# Altium PCB IntelliModule-Alpha-Baseboard.PcbDoc (continued)
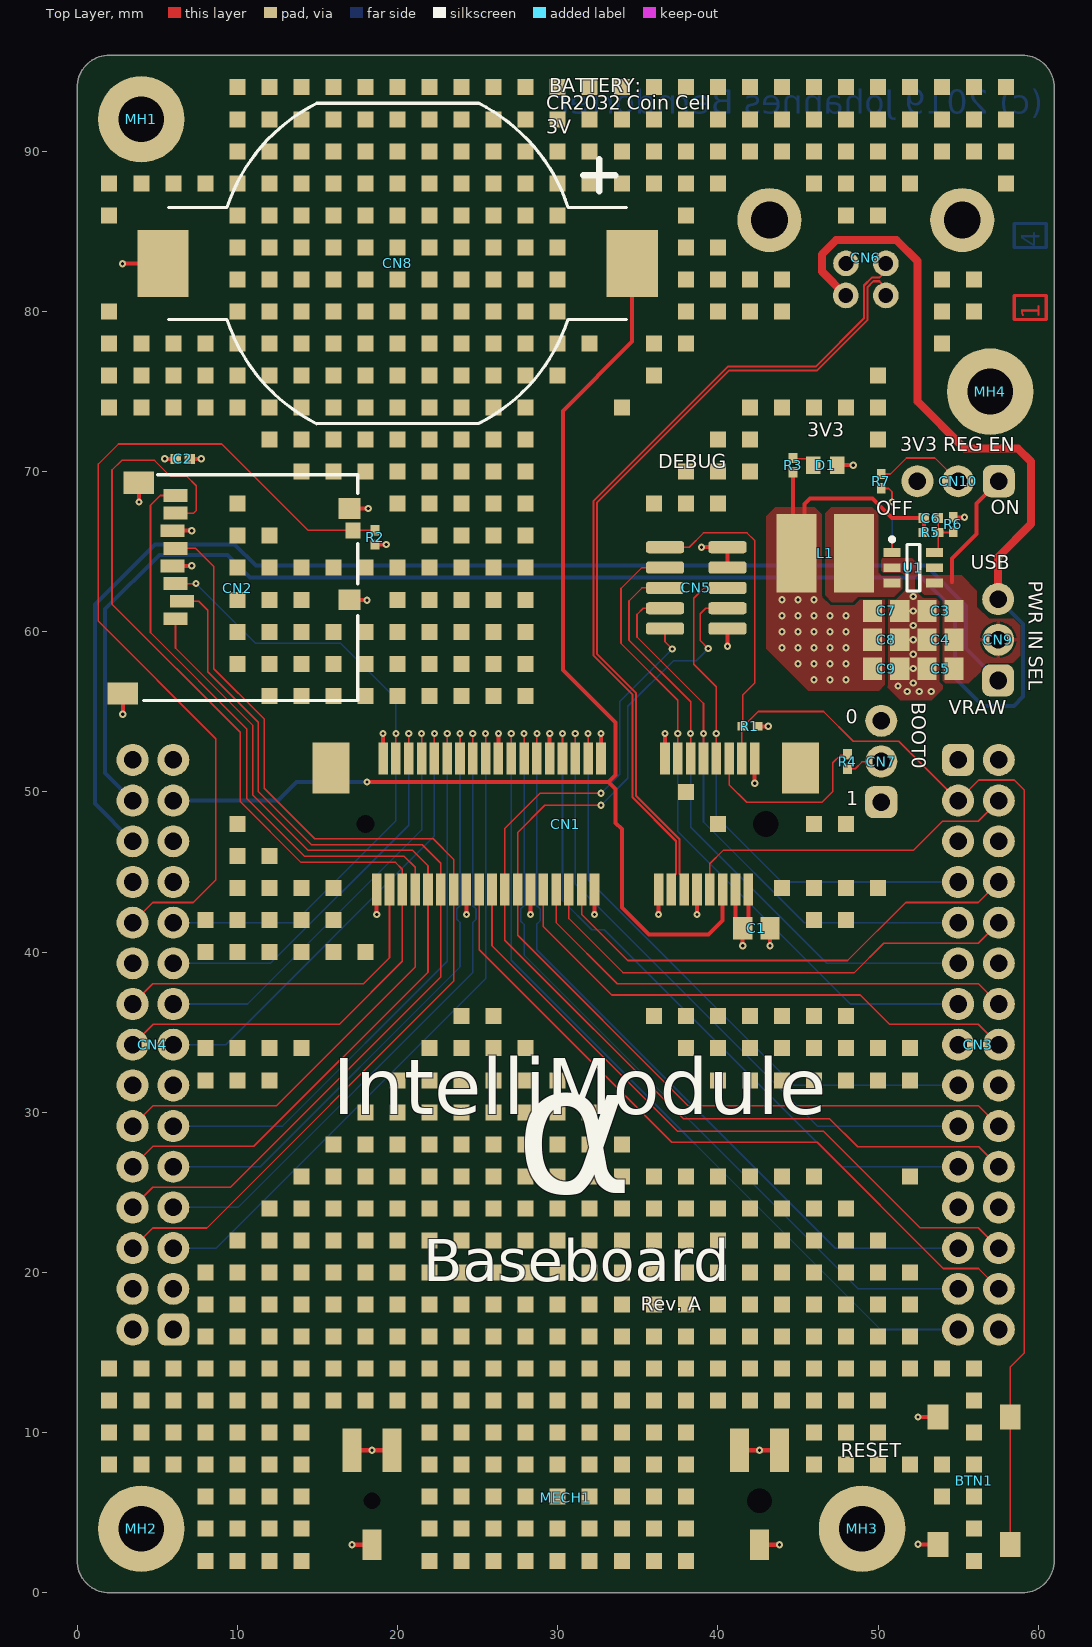
[diagram p0: Top Layer view]
## Part data (continued)
R1 R2 R4 R7: library part RC0402FR-0710KL, "RES 10K 1% 1/16W SMD 0402 YAEGO", Case/Package=0402, Case Code (Metric)=1005, Internal Part Number=R000016, Manufacturer=Yageo, Max Operating Temperature=155°C, Min Operating Temperature=-55°C, Package Quantity=10000, Power Rating=62.5mW, Resistance=10kR, Supplier Part Number 1=311-10.0KLRCT-ND, Temperature Coefficient=100ppm/°C, Tolerance=1%, Voltage Rating=50V, Case Code (Imperial)=0402, ComponentLink1Description=https://datasheet.ciiva.com/7660/38568-7660787.pdf?src-supplier=Element14, ComponentLink1URL=https://datasheet.ciiva.com/7660/38568-7660787.pdf?src-supplier=Element14, ComponentLink2Description=https://datasheet.ciiva.com/7849/1784430-7849813.pdf?src-supplier=Element14, ComponentLink2URL=https://datasheet.ciiva.com/7849/1784430-7849813.pdf?src-supplier=Element14, ComponentLink3Description=https://datasheet.ciiva.com/7849/1686128-7849814.pdf?src-supplier=Element14, ComponentLink3URL=https://datasheet.ciiva.com/7849/1686128-7849814.pdf?src-supplier=Element14, ComponentLink4Description=https://datasheet.ciiva.com/7849/1784430-7849815.pdf?src-supplier=Element14, ComponentLink4URL=https://datasheet.ciiva.com/7849/1784430-7849815.pdf?src-supplier=Element14, ComponentLink5Description=https://datasheet.ciiva.com/22747/1018594-22747512.pdf?src-supplier=Element14, ComponentLink5URL=https://datasheet.ciiva.com/22747/1018594-22747512.pdf?src-supplier=Element14, ComponentLink6Description=https://datasheet.ciiva.com/12667/pyu-rc0402-51-rohs-l-6-r-12667067.pdf?src-supplier=Mouser, ComponentLink6URL=https://datasheet.ciiva.com/12667/pyu-rc0402-51-rohs-l-6-r-12667067.pdf?src-supplier=Mouser, ComponentLink7Description=https://datasheet.ciiva.com/7983/1018594-7983486.pdf?src-supplier=Element14, ComponentLink7URL=https://datasheet.ciiva.com/7983/1018594-7983486.pdf?src-supplier=Element14, ComponentLink8Description=https://datasheet.ciiva.com/11819/0900766b80c66297-11819487.pdf?src-supplier=RSComponents, ComponentLink8URL=https://datasheet.ciiva.com/11819/0900766b80c66297-11819487.pdf?src-supplier=RSComponents, ComponentLink9Description=https://datasheet.ciiva.com/15189/getdatasheetpartid-329253-15189431.pdf?src-supplier=Verical, ComponentLink9URL=https://datasheet.ciiva.com/15189/getdatasheetpartid-329253-15189431.pdf?src-supplier=Verical, ComponentLink10Description=https://datasheet.ciiva.com/24070/pyu-rc0402-51-rohs-l-6-r-8721-24070077.pdf?src-supplier=Mouser, ComponentLink10URL=https://datasheet.ciiva.com/24070/pyu-rc0402-51-rohs-l-6-r-8721-24070077.pdf?src-supplier=Mouser, ComponentLink11Description=https://datasheet.ciiva.com/7849/1018594-7849966.pdf?src-supplier=Element14, ComponentLink11URL=https://datasheet.ciiva.com/7849/1018594-7849966.pdf?src-supplier=Element14, ComponentLink12Description=https://datasheet.ciiva.com/7849/1018594-7849967.pdf?src-supplier=Element14, ComponentLink12URL=https://datasheet.ciiva.com/7849/1018594-7849967.pdf?src-supplier=Element14, ComponentLink13Description=https://datasheet.ciiva.com/17070/pyu-rc0402-51-rohs-l-6-r-17070335.pdf?src-supplier=Future+Electronics, ComponentLink13URL=https://datasheet.ciiva.com/17070/pyu-rc0402-51-rohs-l-6-r-17070335.pdf?src-supplier=Future+Electronics, Composition="Thick Film", Depth=0.5mm, Height=0.32mm, Lead Free="Lead Free", Lead Pitch=0.2mm, Length=1mm, Manufacturer Part Number=RC0402FR-0710KL, Military Standard=Not, Number of Pins=2, Number of Terminations=2, Packaging="Tape and Reel", Pricing 1="1 = 0,10000, 10 = 0,01600, 100 = 0,00670, 1000 = 0,00301, 2500 = 0,00261, 5000 = 0,00215 (USD)", REACH SVHC="No SVHC", RoHS=Yes, Stock 1=86154015, Supplier 1=Digi-Key, Termination=SMD/SMT, Voltage Rating (DC)=50V, Width=0.5mm, Working Voltage=50V
R3: library part RC0402FR-07240RL, "RES 240R 1% 1/16W SMD 0402 YAGEO", Case/Package=0402, Internal Part Number=R000043, Manufacturer="Yageo Phycomp", Max Operating Temperature=155°C, Min Operating Temperature=-55°C, Power Rating=62.5mW, Resistance=240R, Supplier Part Number 1=311-240LRCT-ND, Temperature Coefficient=100ppm/°C, Tolerance=1%, Voltage Rating (DC)=50V, ComponentLink1Description=http://www.mouser.com/ds/2/447/PYu-RC0402_51_RoHS_L_6_r-8721.pdf?src-supplier=Mouser, ComponentLink1URL=http://www.mouser.com/ds/2/447/PYu-RC0402_51_RoHS_L_6_r-8721.pdf?src-supplier=Mouser, ComponentLink2Description=http://www.farnell.com/datasheets/2167052.pdf?src-supplier=Farnell, ComponentLink2URL=http://www.farnell.com/datasheets/2167052.pdf?src-supplier=Farnell, ComponentLink3Description=http://www.yageo.com/documents/recent/PYu-RC_Group_51_RoHS_L_9.pdf?src-supplier=Digi-Key, ComponentLink3URL=http://www.yageo.com/documents/recent/PYu-RC_Group_51_RoHS_L_9.pdf?src-supplier=Digi-Key, ComponentLink4Description=http://www.yageo.com/documents/recent/PYu-RC_Group_51_RoHS_L_10.pdf?src-supplier=Digi-Key, ComponentLink4URL=http://www.yageo.com/documents/recent/PYu-RC_Group_51_RoHS_L_10.pdf?src-supplier=Digi-Key, ComponentLink5Description=http://www.farnell.com/datasheets/2167052.pdf?src-supplier=Element14, ComponentLink5URL=http://www.farnell.com/datasheets/2167052.pdf?src-supplier=Element14, Depth=0.5mm, Height=0.32mm, Lead Free="Lead Free", Length=1mm, Manufacturer Part Number=RC0402FR-07240RL, Mount="Surface Mount", Number of Pins=2, Packaging="Cut Tape", Pricing 1="1 = 0,10000, 10 = 0,01600, 100 = 0,00670, 1000 = 0,00301, 2500 = 0,00261, 5000 = 0,00215 (USD)", REACH SVHC="No SVHC", RoHS=Yes, Stock 1=5684518, Supplier 1=Digi-Key
R5: "RES 270K 1% 1/16W SMD 0402 YAEGO", Case/Package=0402, Case Code (Metric)=1005, Internal Part Number=R000020, Manufacturer=Yageo, Max Operating Temperature=155°C, Max Power Dissipation=62.5mW, Min Operating Temperature=-55°C, Package Quantity=1, Power Rating=63mW, Resistance=270kR, Supplier Part Number 1=311-270KLRCT-ND, Temperature Coefficient=100ppm/°C, Tolerance=1%, Voltage Rating=50V, Case Code (Imperial)=0402, ComponentLink1Description=https://datasheet.ciiva.com/2491/pyu-r-int-thick-7-2491341.pdf?src-supplier=Digi-Key, ComponentLink1URL=https://datasheet.ciiva.com/2491/pyu-r-int-thick-7-2491341.pdf?src-supplier=Digi-Key, ComponentLink2Description=https://datasheet.ciiva.com/15189/getdatasheetpartid-327811-15189397.pdf?src-supplier=Verical, ComponentLink2URL=https://datasheet.ciiva.com/15189/getdatasheetpartid-327811-15189397.pdf?src-supplier=Verical, ComponentLink3Description=https://datasheet.ciiva.com/16772/pyu-rc0402-51-rohs-l-6-r-16772665.pdf?src-supplier=Future+Electronics, ComponentLink3URL=https://datasheet.ciiva.com/16772/pyu-rc0402-51-rohs-l-6-r-16772665.pdf?src-supplier=Future+Electronics, ComponentLink4Description=https://datasheet.ciiva.com/2491/pyu-r-int-thick-7-2491339.pdf?src-supplier=Digi-Key, ComponentLink4URL=https://datasheet.ciiva.com/2491/pyu-r-int-thick-7-2491339.pdf?src-supplier=Digi-Key, ComponentLink5Description=https://datasheet.ciiva.com/2491/pyu-r-int-thick-7-2491340.pdf?src-supplier=Digi-Key, ComponentLink5URL=https://datasheet.ciiva.com/2491/pyu-r-int-thick-7-2491340.pdf?src-supplier=Digi-Key, Composition="Thick Film", Depth=0.5mm, Features="Moisture Resistant", Height=0.016inch, Lead Free="Lead Free", Length=1mm, Manufacturer Part Number=RC0402FR-07270KL, Military Standard=Not, Number of Terminations=2, Packaging="Tape and Reel", Pricing 1="1 = 0,10000, 10 = 0,01600, 100 = 0,00640, 1000 = 0,00289, 2500 = 0,00251, 5000 = 0,00207 (USD)", REACH SVHC=Unknown, RoHS=Yes, Stock 1=339624, Supplier 1=Digi-Key, Termination=SMD/SMT, Weight=2.3E-05oz, Width=0.5mm
R6: "RES 60K4 1% 1/16W SMD 0402 YAEGO", Case/Package=0402, Case Code (Metric)=1005, Internal Part Number=R000021, Manufacturer=Yageo, Max Operating Temperature=155°C, Min Operating Temperature=-55°C, Power Rating=62.5mW, Resistance=60.4kR, Supplier Part Number 1=311-60.4KLRCT-ND, Temperature Coefficient=100ppm/°C, Tolerance=1%, Voltage Rating=50V, Case Code (Imperial)=0402, ComponentLink1Description=https://datasheet.ciiva.com/17068/pyu-rc0402-51-rohs-l-6-r-17068614.pdf?src-supplier=Future+Electronics, ComponentLink1URL=https://datasheet.ciiva.com/17068/pyu-rc0402-51-rohs-l-6-r-17068614.pdf?src-supplier=Future+Electronics, ComponentLink2Description=https://datasheet.ciiva.com/28398/pyu-rc0402-51-rohs-l-6-28398086.pdf?src-supplier=Avnet+Europe, ComponentLink2URL=https://datasheet.ciiva.com/28398/pyu-rc0402-51-rohs-l-6-28398086.pdf?src-supplier=Avnet+Europe, ComponentLink3Description=https://datasheet.ciiva.com/16867/pyu-rc0402-51-rohs-l-6-16867357.pdf?src-supplier=Avnet+Europe, ComponentLink3URL=https://datasheet.ciiva.com/16867/pyu-rc0402-51-rohs-l-6-16867357.pdf?src-supplier=Avnet+Europe, ComponentLink4Description=https://datasheet.ciiva.com/8888/pyu-rc0402-51-rohs-l-6-8888622.pdf?src-supplier=Avnet, ComponentLink4URL=https://datasheet.ciiva.com/8888/pyu-rc0402-51-rohs-l-6-8888622.pdf?src-supplier=Avnet, Composition="Thick Film", Contact Plating=Tin,Matte, Depth=0.5mm, Lead Free="Lead Free", Length=1mm, Manufacturer Part Number=RC0402FR-0760K4L, Military Standard=Not, Packaging="Tape and Reel", Pricing 1="1 = 0,10000, 10 = 0,01600, 100 = 0,00640, 1000 = 0,00289, 2500 = 0,00251, 5000 = 0,00207 (USD)", RoHS=Yes, Stock 1=969860, Supplier 1=Digi-Key, Termination=SMD/SMT, Voltage Rating (DC)=50V, Width=500um
U1: "IC REGULATOR BUCK 2A SYNC 1MHZ SOT-23-6", Case/Package=SOT-23-6, Internal Part Number=IC000028, Manufacturer=Diodes, Max Input Voltage=5.5V, Max Operating Temperature=85°C, Min Input Voltage=2.7V, Min Operating Temperature=-40°C, Min Output Voltage=600mV, Output Current=2A, Supplier Part Number 1=AP3419KTTR-G1DICT-ND, Switching Frequency=1MHz, ComponentLink1Description=https://www.diodes.com/assets/Datasheets/AP3419.pdf?src-supplier=Digi-Key, ComponentLink1URL=https://www.diodes.com/assets/Datasheets/AP3419.pdf?src-supplier=Digi-Key, Manufacturer Part Number=AP3419KTTR-G1, Max Output Voltage=5.5V, Mount="Surface Mount", Number of Outputs=1, Output Configuration=Positive, Output Type=Adjustable, Packaging="Tape and Reel", Pricing 1="1 = 0,42000, 10 = 0,33900, 100 = 0,23070, 500 = 0,17304, 1000 = 0,12978 (USD)", RoHS=Yes, Stock 1=72992, Supplier 1=Digi-Key, Synchronous Rectifier=Yes

## Free pads (board coordinates)
  rect 1x1 smd paste-5: ""(2,8) ""(2,10) ""(2,12) ""(2,14) ""(2,74) ""(2,76) ""(2,78) ""(2,80) ""(2,86) ""(2,88) ""(4,74) ""(4,76) ""(4,78) ""(4,88) ""(4,8) ""(4,10) ""(4,12) ""(4,14) ""(6,8) ""(6,10) ""(6,12) ""(6,14) ""(6,74) ""(6,76) ""(6,78) ""(6,88) ""(8,16) ""(8,18) ""(8,20) ""(8,2) ""(8,4) ""(8,6) ""(8,8) ""(8,10) ""(8,32) ""(8,34) ""(8,40) ""(8,42) ""(8,78) ""(8,88) ""(8,12) ""(8,14) ""(8,74) ""(8,76) ""(10,12) ""(10,14) ""(10,16) ""(10,18) ""(10,20) ""(10,22) ""(10,2) ""(10,4) ""(10,6) ""(10,8) ""(10,10) ""(10,32) ""(10,34) ""(10,40) ""(10,42) ""(10,44) ""(10,46) ""(10,48) ""(10,58) ""(10,60) ""(10,62) ""(10,64) ""(10,66) ""(10,68) ""(10,74) ""(10,76) ""(10,78) ""(10,80) ""(10,82) ""(10,84) ""(10,86) ""(10,88) ""(10,90) ""(10,92) ""(10,94) ""(12,24) ""(12,2) ""(12,4) ""(12,6) ""(12,8) ""(12,10) ""(12,12) ""(12,14) ""(12,16) ""(12,18) ""(12,20) ""(12,22) ""(12,32) ""(12,34) ""(12,40) ""(12,42) ""(12,44) ""(12,46) ""(12,56) ""(12,58) ""(12,60) ""(12,62) ""(12,64) ""(12,66) ""(12,72) ""(12,74) ""(12,76) ""(12,78) ""(12,80) ""(12,82) ""(12,84) ""(12,86) ""(12,88) ""(12,90) ""(12,92) ""(12,94) ""(14,12) ""(14,14) ""(14,16) ""(14,18) ""(14,20) ""(14,22) ""(14,24) ""(14,26) ""(14,2) ""(14,4) ""(14,6) ""(14,8) ""(14,10) ""(14,34) ""(14,40) ""(14,42) ""(14,44) ""(14,56) ""(14,58) ""(14,60) ""(14,62) ""(14,64) ""(14,70) ""(14,72) ""(14,74) ""(14,76) ""(14,78) ""(14,80) ""(14,82) ""(14,84) ""(14,86) ""(14,88) ""(14,90) ""(14,92) ""(14,94) ""(16,12) ""(16,14) ""(16,16) ""(16,18) ""(16,20) ""(16,22) ""(16,24) ""(16,26) ""(16,28) ""(16,40) ""(16,42) ""(16,44) ""(16,56) ""(16,58) ""(16,60) ""(16,64) ""(16,70) ""(16,72) ""(16,74) ""(16,76) ""(16,78) ""(16,80) ""(16,82) ""(16,84) ""(16,86) ""(16,88) ""(16,90) ""(16,92) ""(16,94) ""(18,12) ""(18,14) ""(18,16) ""(18,18) ""(18,20) ""(18,22) ""(18,24) ""(18,26) ""(18,28) ""(18,30) ""(18,40) ""(18,56) ""(18,58) ""(18,60) ""(18,64) ""(18,70) ""(18,72) ""(18,74) ""(18,76) ""(18,78) ""(18,80) ""(18,82) ""(18,84) ""(18,86) ""(18,88) ""(18,90) ""(18,92) ""(18,94) ""(20,12) ""(20,14) ""(20,16) ""(20,18) ""(20,20) ""(20,22) ""(20,24) ""(20,26) ""(20,28) ""(20,30) ""(20,32) ""(20,56) ""(20,58) ""(20,60) ""(20,62) ""(20,64) ""(20,68) ""(20,70) ""(20,72) ""(20,74) ""(20,76) ""(20,78) ""(20,80) ""(20,82) ""(20,84) ""(20,86) ""(20,88) ""(20,90) ""(20,92) ""(20,94) ""(22,2) ""(22,4) ""(22,6) ""(22,8) ""(22,10) ""(22,12) ""(22,14) ""(22,16) ""(22,18) ""(22,20) ""(22,22) ""(22,24) ""(22,26) ""(22,28) ""(22,30) ""(22,32) ""(22,34) ""(22,56) ""(22,58) ""(22,60) ""(22,62) ""(22,64) ""(22,66) ""(22,68) ""(22,70) ""(22,72) ""(22,74) ""(22,76) ""(22,78) ""(22,80) ""(22,82) ""(22,84) ""(22,86) ""(22,88) ""(22,90) ""(22,92) ""(22,94) ""(24,12) ""(24,14) ""(24,16) ""(24,18) ""(24,20) ""(24,22) ""(24,24) ""(24,26) ""(24,28) ""(24,30) ""(24,32) ""(24,34) ""(24,36) ""(24,2) ""(24,4) ""(24,6) ""(24,8) ""(24,10) ""(24,56) ""(24,58) ""(24,60) ""(24,62) ""(24,64) ""(24,66) ""(24,68) ""(24,70) ""(24,72) ""(24,74) ""(24,76) ""(24,78) ""(24,80) ""(24,82) ""(24,84) ""(24,86) ""(24,88) ""(24,90) ""(24,92) ""(24,94) ""(26,12) ""(26,14) ""(26,16) ""(26,18) ""(26,20) ""(26,22) ""(26,24) ""(26,26) ""(26,28) ""(26,30) ""(26,32) ""(26,34) ""(26,36) ""(26,2) ""(26,4) ""(26,6) ""(26,8) ""(26,10) ""(26,56) ""(26,58) ""(26,60) ""(26,62) ""(26,64) ""(26,66) ""(26,68) ""(26,70) ""(26,72) ""(26,74) ""(26,76) ""(26,78) ""(26,80) ""(26,82) ""(26,84) ""(26,86) ""(26,88) ""(26,90) ""(26,92) ""(26,94) ""(28,12) ""(28,14) ""(28,16) ""(28,18) ""(28,20) ""(28,22) ""(28,24) ""(28,26) ""(28,28) ""(28,30) ""(28,32) ""(28,34) ""(28,2) ""(28,4) ""(28,6) ""(28,8) ""(28,10) ""(28,56) ""(28,58) ""(28,60) ""(28,62) ""(28,64) ""(28,66) ""(28,68) ""(28,70) ""(28,72) ""(28,74) ""(28,76) ""(28,78) ""(28,80) ""(28,82) ""(28,84) ""(28,86) ""(28,88) ""(28,90) ""(28,92) ""(28,94) ""(30,12) ""(30,14) ""(30,16) ""(30,18) ""(30,20) ""(30,22) ""(30,24) ""(30,26) ""(30,28) ""(30,30) ""(30,2) ""(30,4) ""(30,6) ""(30,8) ""(30,10) ""(30,32) ""(30,76) ""(30,78) ""(30,80) ""(30,82) ""(30,84) ""(30,86) ""(30,88) ""(30,90) ""(30,92) ""(30,94) ""(32,2) ""(32,4) ""(32,6) ""(32,8) ""(32,10) ""(32,12) ""(32,14) ""(32,16) ""(32,18) ""(32,20) ""(32,22) ""(32,24) ""(32,26) ""(32,28) ""(32,30) ""(32,78) ""(32,90) ""(32,92) ""(32,94) ""(32,88) ""(34,12) ""(34,14) ""(34,16) ""(34,18) ""(34,20) ""(34,22) ""(34,24) ""(34,26) ""(34,28) ""(34,2) ""(34,4) ""(34,6) ""(34,8) ""(34,10) ""(34,74) ""(34,88) ""(34,90) ""(34,92) ""(34,94) ""(36,2) ""(36,4) ""(36,6) ""(36,8) ""(36,10) ""(36,12) ""(36,14) ""(36,16) ""(36,18) ""(36,20) ""(36,22) ""(36,24) ""(36,26) ""(36,36) ""(36,76) ""(36,78) ""(36,68) ""(36,88) ""(36,90) ""(36,92) ""(36,94) ""(38,12) ""(38,14) ""(38,16) ""(38,18) ""(38,20) ""(38,2) ""(38,4) ""(38,6) ""(38,8) ""(38,10) ""(38,26) ""(38,34) ""(38,36) ""(38,70) ""(38,22) ""(38,24) ""(38,50) ""(38,78) ""(38,80) ""(38,82) ""(38,84) ""(38,86) ""(38,88) ""(38,90) ""(38,92) ""(38,94) ""(38,68) ""(40,12) ""(40,14) ""(40,16) ""(40,18) ""(40,20) ""(40,26) ""(40,32) ""(40,22) ""(40,24) ""(40,36) ""(40,48) ""(40,80) ""(40,82) ""(40,34) ""(40,68) ""(40,70) ""(40,72) ""(40,84) ""(40,88) ""(40,90) ""(40,92) ""(40,94) ""(42,12) ""(42,14) ""(42,16) ""(42,18) ""(42,20) ""(42,26) ""(42,32) ""(42,36) ""(42,22) ""(42,24) ""(42,34) ""(42,90) ""(42,92) ""(42,94) ""(42,70) ""(42,72) ""(42,74) ""(42,80) ""(42,82) ""(44,12) ""(44,14) ""(44,16) ""(44,18) ""(44,20) ""(44,22) ""(44,24) ""(44,26) ""(44,32) ""(44,36) ""(44,34) ""(44,44) ""(44,80) ""(44,82) ""(44,90) ""(44,92) ""(44,94) ""(44,74) ""(46,8) ""(46,10) ""(46,12) ""(46,14) ""(46,16) ""(46,18) ""(46,20) ""(46,22) ""(46,24) ""(46,26) ""(46,32) ""(46,42) ""(46,36) ""(46,48) ""(46,90) ""(46,92) ""(46,94) ""(46,34) ""(46,44) ""(46,74) ""(46,88) ""(48,8) ""(48,10) ""(48,12) ""(48,14) ""(48,16) ""(48,18) ""(48,20) ""(48,22) ""(48,24) ""(48,32) ""(48,36) ""(48,42) ""(48,34) ""(48,44) ""(48,48) ""(48,86) ""(48,88) ""(48,90) ""(48,92) ""(48,94) ""(48,74) ""(50,8) ""(50,10) ""(50,12) ""(50,14) ""(50,16) ""(50,18) ""(50,20) ""(50,22) ""(50,32) ""(50,44) ""(50,86) ""(50,88) ""(50,90) ""(50,92) ""(50,94) ""(50,34) ""(50,72) ""(50,74) ""(50,76) ""(52,8) ""(52,14) ""(52,16) ""(52,18) ""(52,20) ""(52,90) ""(52,92) ""(52,94) ""(52,26) ""(52,32) ""(52,34) ""(52,88) ""(54,6) ""(54,8) ""(54,14) ""(54,90) ""(54,92) ""(54,94) ""(54,78) ""(54,80) ""(54,82) ""(56,2) ""(56,4) ""(56,6) ""(56,8) ""(56,10) ""(56,12) ""(56,14) ""(56,90) ""(56,92) ""(56,94) ""(56,80) ""(56,82) ""(58,90) ""(58,92) ""(58,94) ""(58,88)
  rect 1x1 smd far side paste-5: ""(2,8) ""(2,10) ""(2,12) ""(2,14) ""(2,70) ""(2,72) ""(2,74) ""(2,76) ""(2,78) ""(2,80) ""(2,82) ""(2,84) ""(2,86) ""(2,88) ""(2,66) ""(2,68) ""(4,74) ""(4,76) ""(4,8) ""(4,10) ""(4,12) ""(4,14) ""(4,54) ""(4,56) ""(4,58) ""(4,60) ""(4,70) ""(4,72) ""(4,78) ""(4,80) ""(4,82) ""(4,84) ""(4,86) ""(4,88) ""(6,8) ""(6,10) ""(6,12) ""(6,14) ""(6,72) ""(6,74) ""(6,76) ""(6,78) ""(6,80) ""(6,82) ""(6,84) ""(6,86) ""(6,88) ""(6,54) ""(6,56) ""(6,58) ""(6,60) ""(6,62) ""(6,68) ""(8,32) ""(8,44) ""(8,46) ""(8,48) ""(8,2) ""(8,4) ""(8,6) ""(8,8) ""(8,10) ""(8,12) ""(8,14) ""(8,16) ""(8,18) ""(8,74) ""(8,76) ""(8,52) ""(8,54) ""(8,56) ""(8,58) ""(8,60) ""(8,68) ""(8,72) ""(8,78) ""(8,80) ""(8,82) ""(8,84) ""(8,86) ""(8,88) ""(8,90) ""(8,92) ""(8,94) ""(10,20) ""(10,32) ""(10,2) ""(10,4) ""(10,6) ""(10,8) ""(10,10) ""(10,12) ""(10,14) ""(10,16) ""(10,18) ""(10,44) ""(10,46) ""(10,48) ""(10,52) ""(10,54) ""(10,56) ""(10,58) ""(10,68) ""(10,70) ""(10,72) ""(10,74) ""(10,76) ""(10,78) ""(10,80) ""(10,82) ""(10,84) ""(10,86) ""(10,88) ""(10,90) ""(10,92) ""(10,94) ""(12,32) ""(12,34) ""(12,44) ""(12,46) ""(12,48) ""(12,2) ""(12,4) ""(12,6) ""(12,8) ""(12,10) ""(12,12) ""(12,14) ""(12,16) ""(12,18) ""(12,20) ""(12,22) ""(12,52) ""(12,54) ""(12,56) ""(12,58) ""(12,62) ""(12,66) ""(12,68) ""(12,70) ""(12,72) ""(12,74) ""(12,76) ""(12,78) ""(12,80) ""(12,82) ""(12,84) ""(12,86) ""(12,88) ""(12,90) ""(12,92) ""(12,94) ""(14,34) ""(14,36) ""(14,2) ""(14,4) ""(14,6) ""(14,8) ""(14,10) ""(14,12) ""(14,14) ""(14,16) ""(14,18) ""(14,20) ""(14,22) ""(14,24) ""(14,46) ""(14,48) ""(14,52) ""(14,54) ""(14,56) ""(14,58) ""(14,62) ""(14,66) ""(14,68) ""(14,70) ""(14,72) ""(14,74) ""(14,76) ""(14,78) ""(14,80) ""(14,82) ""(14,84) ""(14,86) ""(14,88) ""(14,90) ""(14,92) ""(14,94) ""(16,14) ""(16,16) ""(16,18) ""(16,20) ""(16,36) ""(16,38) ""(16,48) ""(16,2) ""(16,4) ""(16,6) ""(16,8) ""(16,10) ""(16,12) ""(16,22) ""(16,24) ""(16,26) ""(16,62) ""(16,66) ""(16,68) ""(16,70) ""(16,72) ""(16,74) ""(16,76) ""(16,78) ""(16,80) ""(16,82) ""(16,84) ""(16,86) ""(16,88) ""(16,90) ""(16,92) ""(16,94) ""(16,52) ""(16,54) ""(16,56) ""(16,58) ""(18,38) ""(18,40) ""(18,2) ""(18,10) ""(18,12) ""(18,14) ""(18,16) ""(18,18) ""(18,20) ""(18,22) ""(18,24) ""(18,26) ""(18,28) ""(18,56) ""(18,70) ""(18,72) ""(18,74) ""(18,76) ""(18,78) ""(18,80) ""(18,82) ""(18,84) ""(18,86) ""(18,88) ""(18,90) ""(18,92) ""(18,94) ""(20,40) ""(20,42) ""(20,2) ""(20,4) ""(20,6) ""(20,8) ""(20,10) ""(20,12) ""(20,14) ""(20,16) ""(20,18) ""(20,20) ""(20,22) ""(20,24) ""(20,26) ""(20,28) ""(20,30) ""(20,68) ""(20,70) ""(20,72) ""(20,74) ""(20,76) ""(20,78) ""(20,80) ""(20,82) ""(20,84) ""(20,86) ""(20,88) ""(20,90) ""(20,92) ""(20,94) ""(20,58) ""(20,60) ""(20,62) ""(22,42) ""(22,44) ""(22,2) ""(22,4) ""(22,6) ""(22,8) ""(22,10) ""(22,12) ""(22,14) ""(22,16) ""(22,18) ""(22,20) ""(22,22) ""(22,24) ""(22,26) ""(22,28) ""(22,30) ""(22,32) ""(22,56) ""(22,58) ""(22,60) ""(22,62) ""(22,66) ""(22,68) ""(22,70) ""(22,72) ""(22,74) ""(22,76) ""(22,78) ""(22,80) ""(22,82) ""(22,84) ""(22,86) ""(22,88) ""(22,90) ""(22,92) ""(22,94) ""(24,2) ""(24,4) ""(24,6) ""(24,8) ""(24,10) ""(24,12) ""(24,14) ""(24,16) ""(24,18) ""(24,20) ""(24,22) ""(24,24) ""(24,26) ""(24,28) ""(24,30) ""(24,32) ""(24,34) ""(24,66) ""(24,68) ""(24,70) ""(24,72) ""(24,74) ""(24,76) ""(24,78) ""(24,80) ""(24,82) ""(24,84) ""(24,86) ""(24,88) ""(24,90) ""(24,92) ""(24,94) ""(24,56) ""(24,58) ""(24,60) ""(24,62) ""(26,2) ""(26,4) ""(26,6) ""(26,8) ""(26,10) ""(26,12) ""(26,14) ""(26,16) ""(26,18) ""(26,20) ""(26,22) ""(26,24) ""(26,26) ""(26,28) ""(26,30) ""(26,32) ""(26,34) ""(26,36) ""(26,66) ""(26,68) ""(26,70) ""(26,72) ""(26,74) ""(26,76) ""(26,78) ""(26,80) ""(26,82) ""(26,84) ""(26,86) ""(26,88) ""(26,90) ""(26,92) ""(26,94) ""(26,56) ""(26,58) ""(26,60) ""(26,62) ""(28,2) ""(28,4) ""(28,6) ""(28,8) ""(28,10) ""(28,12) ""(28,14) ""(28,16) ""(28,18) ""(28,20) ""(28,22) ""(28,24) ""(28,26) ""(28,28) ""(28,30) ""(28,32) ""(28,34) ""(28,36) ""(28,56) ""(28,58) ""(28,60) ""(28,62) ""(28,66) ""(28,68) ""(28,70) ""(28,72) ""(28,74) ""(28,76) ""(28,78) ""(28,80) ""(28,82) ""(28,84) ""(28,86) ""(28,88) ""(28,90) ""(28,92) ""(28,94) ""(30,2) ""(30,4) ""(30,6) ""(30,8) ""(30,10) ""(30,12) ""(30,14) ""(30,16) ""(30,18) ""(30,20) ""(30,22) ""(30,24) ""(30,26) ""(30,28) ""(30,30) ""(30,32) ""(30,34) ""(30,66) ""(30,68) ""(30,70) ""(30,72) ""(30,74) ""(30,76) ""(30,78) ""(30,80) ""(30,82) ""(30,84) ""(30,86) ""(30,88) ""(30,90) ""(30,56) ""(30,58) ""(30,60) ""(30,62) ""(32,2) ""(32,4) ""(32,6) ""(32,8) ""(32,10) ""(32,12) ""(32,14) ""(32,16) ""(32,18) ""(32,20) ""(32,22) ""(32,24) ""(32,26) ""(32,28) ""(32,30) ""(32,32) ""(32,40) ""(32,56) ""(32,58) ""(32,60) ""(32,62) ""(32,66) ""(32,68) ""(32,70) ""(32,72) ""(32,74) ""(32,76) ""(32,78) ""(32,80) ""(32,82) ""(32,84) ""(32,86) ""(32,88) ""(32,90) ""(34,46) ""(34,48) ""(34,58) ""(34,60) ""(34,62) ""(34,2) ""(34,4) ""(34,6) ""(34,8) ""(34,10) ""(34,12) ""(34,14) ""(34,16) ""(34,18) ""(34,20) ""(34,22) ""(34,24) ""(34,26) ""(34,28) ""(34,30) ""(34,66) ""(34,68) ""(34,70) ""(34,72) ""(34,74) ""(34,76) ""(34,78) ""(34,80) ""(34,82) ""(34,84) ""(34,86) ""(34,88) ""(34,90) ""(34,38) ""(36,44) ""(36,46) ""(36,48) ""(36,50) ""(36,52) ""(36,60) ""(36,62) ""(36,2) ""(36,4) ""(36,6) ""(36,8) ""(36,10) ""(36,12) ""(36,14) ""(36,16) ""(36,18) ""(36,20) ""(36,22) ""(36,24) ""(36,26) ""(36,28) ""(36,36) ""(36,66) ""(36,68) ""(36,70) ""(36,72) ""(36,74) ""(36,76) ""(36,78) ""(36,80) ""(36,82) ""(36,84) ""(36,86) ""(36,88) ""(36,90) ""(38,44) ""(38,56) ""(38,60) ""(38,62) ""(38,2) ""(38,4) ""(38,6) ""(38,8) ""(38,10) ""(38,12) ""(38,14) ""(38,16) ""(38,18) ""(38,20) ""(38,22) ""(38,24) ""(38,26) ""(38,68) ""(38,70) ""(38,72) ""(38,74) ""(38,76) ""(38,78) ""(38,80) ""(38,82) ""(38,84) ""(38,86) ""(38,88) ""(38,90) ""(38,34) ""(40,40) ""(40,42) ""(40,56) ""(40,62) ""(40,2) ""(40,4) ""(40,6) ""(40,8) ""(40,10) ""(40,12) ""(40,14) ""(40,16) ""(40,18) ""(40,20) ""(40,22) ""(40,24) ""(40,32) ""(40,68) ""(40,70) ""(40,72) ""(40,74) ""(40,76) ""(40,78) ""(40,80) ""(40,82) ""(40,84) ""(40,86) ""(40,88) ""(40,90) ""(42,38) ""(42,54) ""(42,56) ""(42,58) ""(42,60) ""(42,62) ""(42,2) ""(42,4) ""(42,12) ""(42,14) ""(42,16) ""(42,18) ""(42,20) ""(42,22) ""(42,66) ""(42,68) ""(42,70) ""(42,72) ""(42,74) ""(42,76) ""(42,78) ""(42,80) ""(42,82) ""(42,30) ""(42,90) ""(44,52) ""(44,36) ""(44,38) ""(44,56) ""(44,8) ""(44,10) ""(44,12) ""(44,14) ""(44,16) ""(44,18) ""(44,20) ""(44,66) ""(44,68) ""(44,70) ""(44,72) ""(44,74) ""(44,76) ""(44,78) ""(44,80) ""(44,82) ""(44,28) ""(44,90) ""(46,34) ""(46,36) ""(46,46) ""(46,48) ""(46,50) ""(46,52) ""(46,54) ""(46,88) ""(46,66) ""(46,68) ""(46,70) ""(46,72) ""(46,74) ""(46,76) ""(46,78) ""(46,80) ""(46,82) ""(46,8) ""(46,10) ""(46,12) ""(46,14) ""(46,16) ""(46,18) ""(46,26) ""(46,56) ""(46,90) ""(48,24) ""(48,34) ""(48,46) ""(48,48) ""(48,50) ""(48,52) ""(48,54) ""(48,86) ""(48,88) ""(48,8) ""(48,10) ""(48,12) ""(48,14) ""(48,16) ""(48,66) ""(48,68) ""(48,72) ""(48,74) ""(48,76) ""(48,78) ""(48,56) ""(48,90) ""(50,24) ""(50,34) ""(50,46) ""(50,86) ""(50,88) ""(50,8) ""(50,10) ""(50,72) ""(50,74) ""(50,76) ""(50,78) ""(50,12) ""(50,14) ""(50,58) ""(50,60) ""(50,62) ""(50,90) ""(52,14) ""(52,24) ""(52,34) ""(52,46) ""(52,86) ""(52,88) ""(52,8) ""(52,72) ""(52,74) ""(52,76) ""(52,78) ""(52,48) ""(52,50) ""(52,52) ""(52,54) ""(52,90) ""(54,4) ""(54,6) ""(54,10) ""(54,12) ""(54,14) ""(54,66) ""(54,78) ""(54,80) ""(54,82) ""(54,2) ""(54,8) ""(54,54) ""(54,90) ""(56,4) ""(56,6) ""(56,10) ""(56,12) ""(56,14) ""(56,64) ""(56,66) ""(56,2) ""(56,8) ""(56,80) ""(56,82) ""(56,54) ""(56,90) ""(58,2) ""(58,4) ""(58,6) ""(58,8) ""(58,10) ""(58,12) ""(58,14) ""(58,64) ""(58,66) ""(58,88) ""(58,90) ""(60,6) ""(60,8) ""(60,10) ""(60,12) ""(60,14) ""(60,16) ""(60,18) ""(60,20) ""(60,22) ""(60,22) ""(60,24) ""(60,26) ""(60,28) ""(60,30) ""(60,32) ""(60,34) ""(60,36) ""(60,38) ""(60,40) ""(60,42) ""(60,44) ""(60,46) ""(60,48) ""(60,50) ""(60,52) ""(60,54) ""(60,62) ""(60,64) ""(60,66) ""(60,68) ""(60,70) ""(60,88) ""(60,4) ""(60,90)

## Via types
v1: diameter 0.45, hole 0.2, Top Layer to Bottom Layer, tented both sides, 97 vias

## Nets (pads, with @x,y where several pads share a name; then routed paths per layer and width w, separated by ;. In a path a pad name is that pad's centre, name@x,y a point inside that pad or via, vN(x,y) a via of type N, cw(c..) or ccw(c..) an arc to the next point about the centre after c; other vN are vias at no path point)
3V3: C1.1 C2.1 C6.1 C7.1 C8.1 C9.1 CN1.2 CN1.4 CN2.4 CN3.1 CN3.2 CN4.1 CN4.2 CN5.10 CN7.1 L1.2 R1.1 R2.1 R3.1 R5.1 | length 28.1
  Top Layer w0.25: v1(5.46,70.8) C2.1 ; CN2.4 7.135,64.11 v1(7.15,64.125) ; R2.1 v1(19.3,65.45) ; v1(40.6,59.1) CN5.10 ; CN1.4 41.1,41.95 C1.1 ; v1(41.55,40.4) C1.1 ; CN1.2 41.9,41.85 C1.1 ; R1.1 v1(43.15,54.1) ; R3.1 44.7,65.1 L1.2 45.4,65.4 45.4,67.975 45.75,68.325 49.656,68.325 50.881,67.1 C6.1 52.855,67.095 52.855,66.205 R5.1
  other v1: 46,57 47,57 48,57 45,58 46,58 47,58 48,58 44,59 45,59 46,59 47,59 48,59 44,60 45,60 46,60 47,60 48,60 44,61 45,61 46,61 47,61 48,61 44,62 45,62 46,62
GND: BTN1.1 BTN1.2 C1.2 C2.2 C3.2 C4.2 C5.2 C7.2 C8.2 C9.2 CN1.1 CN1.10 CN1.15 CN1.16 CN1.17 CN1.18 CN1.25 CN1.28 CN1.33 CN1.38 CN1.51 CN1.52 CN2.6 CN2.SH CN3.5 CN3.6 CN3.12 CN3.15 CN3.18 CN3.23 CN3.24 CN3.30 CN4.3 CN4.4 CN4.13 CN4.14 CN4.20 CN4.23 CN4.24 CN4.25 CN4.29 CN4.30 CN5.2 CN5.4 CN6.4 CN6.SH CN7.3 CN8.2 CN10.3 D1.1 MECH1.0 MH1.1 MH2.1 MH3.1 MH4.1 R6.2 U1.2 | length 43.5
  Top Layer w0.25: v1(2.825,82.975) 2.85,83 CN8.2 ; v1(2.85,54.85) CN2.SH@2.85,56.15 ; v1(3.85,68.1) CN2.SH@3.85,69.3 ; CN2.6 v1(7.15,66.31) ; C2.2 v1(7.74,70.8) ; CN2.SH@17,62 17.025,61.975 v1(18.1,61.975) ; CN2.SH@17,67.7 v1(18.175,67.7) ; v1(17.15,3) MECH1.0@18.4,3 ; MECH1.0@17.15,8.9 v1(18.4,8.9) MECH1.0@19.65,8.9 ; v1(18.7,42.35) CN1.52 ; CN1.51 v1(19.1,53.65) ; v1(24.3,42.35) CN1.38 ; CN1.33 v1(26.3,53.65) ; v1(28.3,42.35) CN1.28 ; CN1.25 v1(29.5,53.65) ; v1(32.3,42.35) CN1.18 ; CN1.17 v1(32.7,53.65) ; v1(36.3,42.35) CN1.16 ; CN1.15 v1(36.7,53.65) ; v1(38.7,42.35) CN1.10 ; v1(38.975,65.275) 38.98,65.28 CN5.2 CN5.4 ; MECH1.0@41.35,8.9 v1(42.6,8.9) MECH1.0@43.85,8.9 ; v1(42.3,50.55) CN1.1 ; MECH1.0@42.6,3 v1(43.85,3) ; v1(43.25,40.4) C1.2 ; D1.1 v1(48.45,70.4) ; v1(52.5,3.025) BTN1.1 ; v1(52.5,10.975) BTN1.2 ; R6.2 v1(55.4,67.15)
  other v1: 51.825,56.275 52.575,56.275 53.325,56.275 51.25,56.625 52.2,56.8 52.2,57.7 52.2,58.6 52.2,59.5 52.2,60.4 52.2,61.3 52.2,62.2
MCU_BOOT0: CN1.5 R4.1 | length 11.8
  Top Layer w0.1: CN1.5 40.7,50.45 41.8,49.35 46.5,49.35 47.175,50.025 47.175,51.825 47.65,52.3 48.1,52.3 R4.1
MCU_PA0_GPIO0: CN1.35 CN4.5 | length 43.3
  Top Layer w0.1: CN1.35 v1(25.5,53.65)
  Bottom Layer w0.1: CN4.5 8.67,21.52 25.5,38.35 v1(25.5,53.65)
MCU_PA1_AUX1: CN1.8 CN3.4 | length 21.3
  Top Layer w0.1: CN1.8 39.5,45.525 40.325,46.35 52.2,46.35 54.025,48.175 56.255,48.175 CN3.4
MCU_PA2_USART2_TX: CN1.34 CN3.26 | length 43
  Top Layer w0.1: CN1.34 25.9,40.4 37.475,28.825 46.6,28.825 52.625,22.8 56.26,22.8 CN3.26
MCU_PA3_USART2_RX: CN1.36 CN3.28 | length 45
  Top Layer w0.1: CN1.36 25.1,40.15 37.125,28.125 46.2,28.125 54.075,20.25 56.27,20.25 CN3.28
MCU_PA5_SPI1_SCK: CN1.19 CN3.17 | length 39.1
  Top Layer w0.1: CN1.19 v1(31.9,53.65)
  Bottom Layer w0.1: v1(31.9,53.65) 31.9,44.525 44.745,31.68 CN3.17
MCU_PA6_SPI1_MISO: CN1.21 CN3.19 | length 41.1
  Top Layer w0.1: CN1.21 v1(31.1,53.65)
  Bottom Layer w0.1: v1(31.1,53.65) 31.1,44.25 46.21,29.14 CN3.19
MCU_PA7_SPI1_MOSI: CN1.23 CN3.21 | length 43.6
  Top Layer w0.1: CN1.23 v1(30.3,53.65)
  Bottom Layer w0.1: v1(30.3,53.65) 30.3,43.225 32.125,41.4 32.9,41.4 47.7,26.6 CN3.21
MCU_PA9_USART1_TX: CN1.30 CN3.20 CN5.8 | length 64.9
  Top Layer w0.1: v1(32.7,49.175) 29.2,49.175 27.5,47.475 CN1.30 27.5,41.05 38.15,30.4 56.28,30.4 CN3.20 ; v1(39.4,58.95) 38.9,59.45 38.9,61.12 39.25,61.47 CN5.8
  Bottom Layer w0.1: v1(32.7,49.175) 34.375,50.85 34.375,55.35 37.225,58.2 38.65,58.2 v1(39.4,58.95)
MCU_PA10_USART1_RX: CN1.32 CN3.22 CN5.9 | length 62.9
  Top Layer w0.1: v1(32.7,49.925) 28.9,49.925 26.7,47.725 CN1.32 26.7,40.75 37.85,29.6 46.975,29.6 48.725,27.85 56.29,27.85 CN3.22 ; CN5.9 36.7,59.375 v1(37.15,58.925)
  Bottom Layer w0.1: v1(32.7,49.925) 33.875,51.1 33.875,55.65 v1(37.15,58.925)
MCU_PA13_JTAG_TMS_SWDIO: CN1.11 CN3.11 CN5.5 | length 40.1
  Top Layer w0.1: CN5.5 35.265,62.74 34.45,61.925 34.45,59.475 38.3,55.625 v1(38.3,53.65) CN1.11
  Bottom Layer w0.1: v1(38.3,53.65) 38.3,47.8 46.8,39.3 CN3.11
MCU_PA14_JTAG_TCK_SWCLK: CN1.13 CN3.13 CN5.3 | length 43.4
  Top Layer w0.1: CN5.3 35.26,64.01 33.952,62.702 33.952,59.273 37.5,55.725 v1(37.5,53.65) CN1.13
  Bottom Layer w0.1: v1(37.5,53.65) 37.5,47.525 48.265,36.76 CN3.13
MCU_PA15_JTAG_TDI: CN1.7 CN3.7 CN5.6 | length 34.9
  Top Layer w0.1: CN1.7 v1(39.9,53.65) 39.9,56.575 38.5,57.975 38.5,62.1 39.14,62.74 CN5.6
  Bottom Layer w0.1: v1(39.9,53.65) 39.9,48.475 43.995,44.38 CN3.7
MCU_PB3_JTAG_TDO_TRACE_SWO: CN1.9 CN3.9 CN5.7 | length 36.6
  Top Layer w0.1: CN5.7 35.345,61.47 34.952,61.077 34.952,59.673 39.1,55.525 v1(39.1,53.65) CN1.9
  Bottom Layer w0.1: v1(39.1,53.65) 39.1,48.125 45.385,41.84 CN3.9
MCU_PB6_I2C1_SCL: CN1.20 CN3.8 | length 30.8
  Top Layer w0.1: CN1.20 31.5,42.35 34.375,39.475 48.1,39.475 51.725,43.1 56.26,43.1 CN3.8
MCU_PB7_I2C1_SDA: CN1.22 CN3.10 | length 31.3
  Top Layer w0.1: CN1.22 30.7,42.1 34.075,38.725 48.525,38.725 50.35,40.55 56.25,40.55 CN3.10
MCU_PB10_I2C2_SCL: CN1.26 CN3.16 | length 33.8
  Top Layer w0.1: CN1.26 29.1,41.6 33.375,37.325 48.89,37.325 50.715,35.5 56.26,35.5 CN3.16
MCU_PB11_I2C2_SDA: CN1.24 CN3.14 | length 31.8
  Top Layer w0.1: CN1.24 29.9,41.85 33.725,38.025 56.275,38.025 CN3.14
MCU_PB13_SPI2_SCK: CN1.27 CN3.25 | length 49.2
  Top Layer w0.1: CN1.27 v1(28.7,53.65)
  Bottom Layer w0.1: v1(28.7,53.65) 28.7,42.9 28.9,42.7 28.9,41.95 28.7,41.75 28.7,40.15 47.33,21.52 CN3.25
MCU_PB14_SPI2_MISO: CN1.29 CN3.27 | length 51.3
  Top Layer w0.1: CN1.29 v1(27.9,53.65)
  Bottom Layer w0.1: v1(27.9,53.65) 27.9,42.9 27.7,42.7 27.7,41.925 27.9,41.725 27.9,39.825 48.745,18.98 CN3.27
MCU_PB15_SPI2_MOSI: CN1.31 CN3.29 | length 53.2
  Top Layer w0.1: CN1.31 v1(27.1,53.65)
  Bottom Layer w0.1: v1(27.1,53.65) 27.1,39.5 50.16,16.44 CN3.29
MCU_PC0_GPIO1: CN1.37 CN4.7 | length 41.4
  Top Layer w0.1: CN1.37 v1(24.7,53.65)
  Bottom Layer w0.1: CN4.7 10.035,24.06 24.7,38.725 24.7,41.85 24.9,42.05 24.9,42.7 24.7,42.9 v1(24.7,53.65)
MCU_PC1_GPIO2: CN1.39 CN4.9 | length 39.4
  Top Layer w0.1: CN1.39 v1(23.9,53.65)
  Bottom Layer w0.1: CN4.9 11.425,26.6 23.9,39.075 23.9,41.85 23.7,42.05 23.7,42.7 23.9,42.9 v1(23.9,53.65)
MCU_PC2_GPIO3: CN1.41 CN4.11 | length 37.1
  Top Layer w0.1: CN1.41 v1(23.1,53.65)
  Bottom Layer w0.1: CN4.11 12.815,29.14 23.1,39.425 v1(23.1,53.65)
MCU_PC3_GPIO4: CN1.43 CN4.15 | length 29.6
  Top Layer w0.1: CN1.43 v1(22.3,53.65)
  Bottom Layer w0.1: CN4.15 9.27,34.22 22.3,47.25 v1(22.3,53.65)
MCU_PC4_GPIO5: CN1.45 CN4.17 | length 27.6
  Top Layer w0.1: CN1.45 v1(21.5,53.65)
  Bottom Layer w0.1: CN4.17 10.635,36.76 21.5,47.625 v1(21.5,53.65)
MCU_PC5_GPIO6: CN1.47 CN4.19 | length 25.5
  Top Layer w0.1: CN1.47 v1(20.7,53.65)
  Bottom Layer w0.1: CN4.19 12.075,39.3 20.7,47.925 v1(20.7,53.65)
MCU_PC7_GPIO8: CN1.50 CN4.18 | length 21.5
  Top Layer w0.1: CN4.18 4.725,38.025 17.875,38.025 19.5,39.65 CN1.50
MCU_PC8_GPIO9: CN1.48 CN2.7 CN4.16 | length 69.7
  Top Layer w0.1: CN4.16 4.74,35.5 16.375,35.5 20.3,39.425 CN1.48 20.3,45.175 19.875,45.6 13.975,45.6 10.175,49.4 10.175,53.725 2.175,61.725 2.175,70.1 2.775,70.7 4.825,70.7 5.8,69.725 6.825,69.725 7.425,69.125 7.425,67.575 7.26,67.41 CN2.7
MCU_PC9_GPIO10: CN1.46 CN2.8 CN4.12 | length 62.9
  Top Layer w0.1: CN4.12 4.72,30.4 12.425,30.4 21.1,39.075 CN1.46 21.1,45.3 20.425,45.975 14.2,45.975 10.575,49.6 10.575,53.95 4.575,59.95 4.575,67.9 5.185,68.51 CN2.8
MCU_PC10_GPIO11: CN1.44 CN2.1 CN4.10 | length 55.9
  Top Layer w0.1: CN4.10 4.735,27.875 11.025,27.875 21.9,38.75 CN1.44 21.9,45.4 20.95,46.35 14.425,46.35 10.95,49.825 10.95,54.175 6.14,58.985 CN2.1
MCU_PC11_GPIO12: CN1.42 CN2.2 CN4.8 | length 60
  Top Layer w0.1: CN4.8 4.725,25.325 9.575,25.325 22.7,38.45 CN1.42 22.7,45.55 21.55,46.7 14.625,46.7 11.3,50.025 11.3,54.35 8.15,57.5 8.15,61.35 7.59,61.91 CN2.2
MCU_PC12_GPIO13: CN1.40 CN2.5 CN4.6 | length 66.2
  Top Layer w0.1: CN4.6 4.715,22.775 8.1,22.775 23.5,38.175 CN1.40 23.5,45.8 22.225,47.075 14.825,47.075 11.675,50.225 11.675,54.55 8.525,57.7 8.525,64.075 7.39,65.21 CN2.5
MCU_PD2_GPIO7: CN1.49 CN2.3 CN4.21 | length 42.5
  Top Layer w0.1: CN2.3 v1(7.41,63.01) v1@7.415,63.01 ; CN1.49 v1(19.9,53.65)
  Bottom Layer w0.1: CN4.21 13.54,41.84 19.9,48.2 v1(19.9,53.65) 19.9,55.825 16.45,59.275 11.145,59.275 v1(7.41,63.01)
MCU_RESETn: BTN1.3 BTN1.4 CN1.3 CN3.3 CN5.1 R1.2 | length 88.6
  Top Layer w0.1: CN5.1 38.205,65.28 39.1,66.175 41.825,66.175 42.3,65.7 42.3,56.8 41.55,56.05 R1.2 ; CN1.3 41.5,54.05 R1.2 ; BTN1.3 BTN1.4 58.25,14.1 59.125,14.975 59.125,50.125 58.5,50.75 56.29,50.75 CN3.3 51.285,53.175 48.45,53.175 46.6,55.025 42.525,55.025 41.6,54.1 R1.2
MCU_USB_D_N: CN1.12 CN6.2 | length 52.1
  Top Layer w0.127: CN1.12 37.9,44.6 37.614,44.886 37.614,47.033 34.9,49.746 34.9,56.171 32.45,58.621 32.45,68.05 40.723,76.323 46.194,76.323 49.352,79.481 49.352,81.527 49.711,81.886 50.081,81.886 50.208,81.759 50.208,81.509 CN6.2@50.717,81
MCU_USB_D_P: CN1.14 CN6.3 | length 52.4
  Top Layer w0.127: CN1.14 37.1,44.6 37.386,44.886 37.386,46.939 34.673,49.652 34.673,56.077 32.223,58.527 32.223,68.144 40.629,76.55 46.1,76.55 49.125,79.575 49.125,81.621 49.617,82.114 50.081,82.114 50.208,82.241 50.208,82.718 CN6.3
NetCN7_2: CN7.2 R4.2 | length 2.3
  Top Layer w0.1: R4.2 48.575,51.45 49,51.875 50.175,51.875 CN7.2
NetCN10_2: CN10.2 R7.2 | length 5.8
  Top Layer w0.1: R7.2 50.775,69.85 51.775,70.85 53.55,70.85 CN10.2
NetD1_2: D1.2 R3.2 | length 1.4
  Top Layer w0.1: R3.2 44.75,70.8 45.55,70.8 D1.2
RAW_VIN: CN4.26 CN9.1 | length 78.8
  Bottom Layer w0.25: CN4.26 1.1,49.28 1.1,61.7 4.85,65.45 9.825,65.45 11.15,64.125 53,64.125 55.5,61.625 55.5,58.96 CN9.1
REG_3V3_EN: R7.1 U1.1 | length 4.6
  Top Layer w0.1: R7.1 50.675,68.95 50.875,68.75 v1(50.875,68.1) ; U1.1 50.875,65.769 v1(50.881,65.775)
  Bottom Layer w0.1: v1(50.875,68.1) 50.881,68.094 v1(50.881,65.775)
REG_3V3_FB: C6.2 R5.2 R6.1 U1.6 | length 3.2
  Top Layer w0.1: U1.6 53.75,65.175 R5.2 ; C6.2 53.75,67.09 R5.2 ; R6.1 54.65,66.2 R5.2
REG_3V3_SW: L1.1 U1.3
SDCARD_DETECTn: CN2.9 CN4.22 R2.2 | length 55.3
  Top Layer w0.1: CN4.22 4.72,43.1 7.25,43.1 8.65,44.5 8.65,53.325 1.325,60.65 1.325,70.475 2.575,71.725 9.025,71.725 14.4,66.35 R2.2
USB_VBUS: CN4.28 CN6.1 CN9.3 | length 121.6
  Top Layer w0.5: CN6.1 46.496,82.494 46.496,83.571 47.375,84.45 51.158,84.45 52.46,83.148 52.46,74.39 55.4,71.45 58.725,71.45 59.55,70.625 59.55,66.725 57.5,64.675 CN9.3
  Bottom Layer w0.25: CN4.28 1.75,51.17 1.75,61.425 5.125,64.8 9.375,64.8 10.79,63.385 52.715,63.385 54.8,61.3 54.8,57.125 56.55,55.375 58.475,55.375 59.05,55.95 59.05,60.49 CN9.3
VBAT_MCU: CN1.6 CN4.27 CN8.1 | length 80.8
  Top Layer w0.25: v1(18.1,50.625) 33.175,50.625 ; CN8.1 34.65,78.125 30.325,73.8 30.325,57.625 33.6,54.35 33.6,51.05 33.175,50.625 ; CN1.6 40.3,41.975 39.425,41.1 35.7,41.1 34,42.8 34,47.675 33.6,48.075 33.6,50.2 33.175,50.625
  Bottom Layer w0.25: CN4.27 12.535,49.46 13.7,50.625 v1(18.1,50.625)
VIN: C3.1 C4.1 C5.1 CN9.2 CN10.1 U1.4 | length 7.5
  Top Layer w0.25: 54.625,63.125 54.625,64.575 56.15,66.1 56.15,68.01 CN10.1
pads on no net: CN1. CN1.0 MECH1. U1.5
copper on no net: | length 28
  Top Layer w0.2: 58.5,79.5 60.5,79.5 60.5,81 58.5,81 58.5,79.5
  Layer 1 w0.2: 58.5,81 58.5,82.5 60.5,82.5 60.5,81 58.5,81
  Layer 2 w0.2: 58.5,82.5 58.5,84 60.5,84 60.5,82.5 58.5,82.5
  Bottom Layer w0.2: 58.5,84 58.5,85.5 60.5,85.5 60.5,84 58.5,84

## Polygon pours and split planes (outlines as drawn)
GND on Top Layer "GND_L01_P006" (solid, remove dead copper, pour order 6): 49.975,64.5 49.975,62.275 50.425,61.825 50.425,56.685 51.385,55.725 53.35,55.725 54.025,56.4 54.025,62 53.725,62.3 52.9,62.3 52.5,62.7 52.5,64.25 52.15,64.6 50.075,64.6
VIN on Top Layer "VIN_L01_P004" (solid, remove dead copper, pour order 4): 52.775,63.525 52.5,63.25 52.5,62.7 52.9,62.3 53.725,62.3 54.025,62 54.025,56.95 54.2,56.775 55.675,56.775 56.975,58.075 58.45,58.075 58.875,58.5 58.875,60.4 58.475,60.8 56.95,60.8 56.175,61.575 56.175,62.575 55.225,63.525
3V3 on Top Layer "3V3_L01_P002" (solid, remove dead copper, pour order 2): 46.425,67.4 46.05,67.775 43.575,67.775 43.025,67.225 43.025,58.95 45.65,56.325 50.065,56.325 50.425,56.685 50.425,63.4
REG_3V3_SW on Top Layer "REG_3V3_SW_L01_P000" (solid, remove dead copper, pour order 0): 51.025,62.2 51.519,62.694 51.519,63.356 51.4,63.475 50.25,63.475 50,63.725 50,67.425 49.65,67.775 47.065,67.775 46.7,67.41 46.7,62.275 47.125,61.85 48.425,61.85 48.775,62.2
GND on Layer 1 "GND_L02_P008" (solid, pour order 8): 0,2 0,94 cw(c2,94) 2,96 59,96 cw(c59,94) 61,94 61,2 cw(c59,2) 59,0 2,0 cw(c2,2)
3V3 on Layer 2 "3V3_L03_P009" (solid, pour order 9): 0,2 0,94 cw(c2,94) 2,96 59,96 cw(c59,94) 61,94 61,2 cw(c59,2) 59,0 2,0 cw(c2,2)

## Other copper
Top Layer:
  text "1" at 60.5,79.5 h2 r90
Layer 1:
  pour cut-out: 58.1,79.1 58.1,85.9 61,85.9 61,79.1
  text "2" at 60.5,81 h2 r90
Layer 2:
  pour cut-out: 58.1,79.1 58.1,85.9 61,85.9 61,79.1
  text "3" at 60.5,82.5 h2 r90
Bottom Layer:
  text "(c) 2019 Johannes Berndorfer" at 60.325,92.35 h1.5
  text "4" at 60.5,84 h2 r90

## Silkscreen, mask and mechanical layers (free items; w line width, h text height)
Top Overlay:
  text "BATTERY:" at 29.475,93.375 h1.5
  text "CR2032 Coin Cell / 3V" at 29.275,90.775 h1.5
  text "3V3" at 45.575,71.875 h1.5
  text "3V3 REG EN" at 51.375,70.95 h1.5
  text "DEBUG" at 36.275,69.9 h1.5
  text "ON" at 57.05,67.025 h1.5
  text "OFF" at 49.875,66.975 h1.5
  text "USB" at 55.8,63.6 h1.5
  text "PWR IN SEL" at 59.1,63.2 h1.5 r270
  text "BOOT0" at 51.8,55.6 h1.5 r270
  text "VRAW" at 54.4,54.525 h1.5
  text "0" at 47.975,53.95 h1.5
  text "1" at 48.025,48.85 h1.5
  text "IntelliModule" at 15.95,28.725 h6
  text "α" at 27.35,22.275 h14
  text "Baseboard" at 21.62,18.575 h4.5
  text "Rev. A" at 35.2,17.3 h1.5
  text "RESET" at 47.675,8.15 h1.5
Top Solder:
  rectangle: 58.3,79.3 60.7,85.7
Bottom Solder:
  rectangle: 58.3,79.3 60.7,85.7
Mechanical 1:
  lines w0.2: 14.3,42.5 46.7,53.5 ; 14.3,53.5 46.7,42.5 ; 15.7,1.45 45.3,10.55 ; 15.7,10.55 45.3,1.45 ; 30.5,6 30.5,48 ; 41.729,5.75 43.471,5.75 ; 42.129,48 43.871,48 ; 42.6,4.879 42.6,6.621 ; 43,47.129 43,48.871
Board:
  the board outline again, w0.2

## Dimensions
0,0 to 0,96 on Mechanical 1
0,0 to 61,0 on Mechanical 1